# Altium PCB ShieldPCB.PcbDoc
Units mil, origin at the board's own origin, x right, y up, seen from the top; angles counter-clockwise.
Board outline 2100 x 2700 mil, 4 copper layers (Top Layer, 3V3 Plane, GND Plane, Bottom Layer), stack 62.156 mil thick; 35 components, 27 nets, 133 pads, 315 vias.
Unrouted connection lines stored in the file: 2.
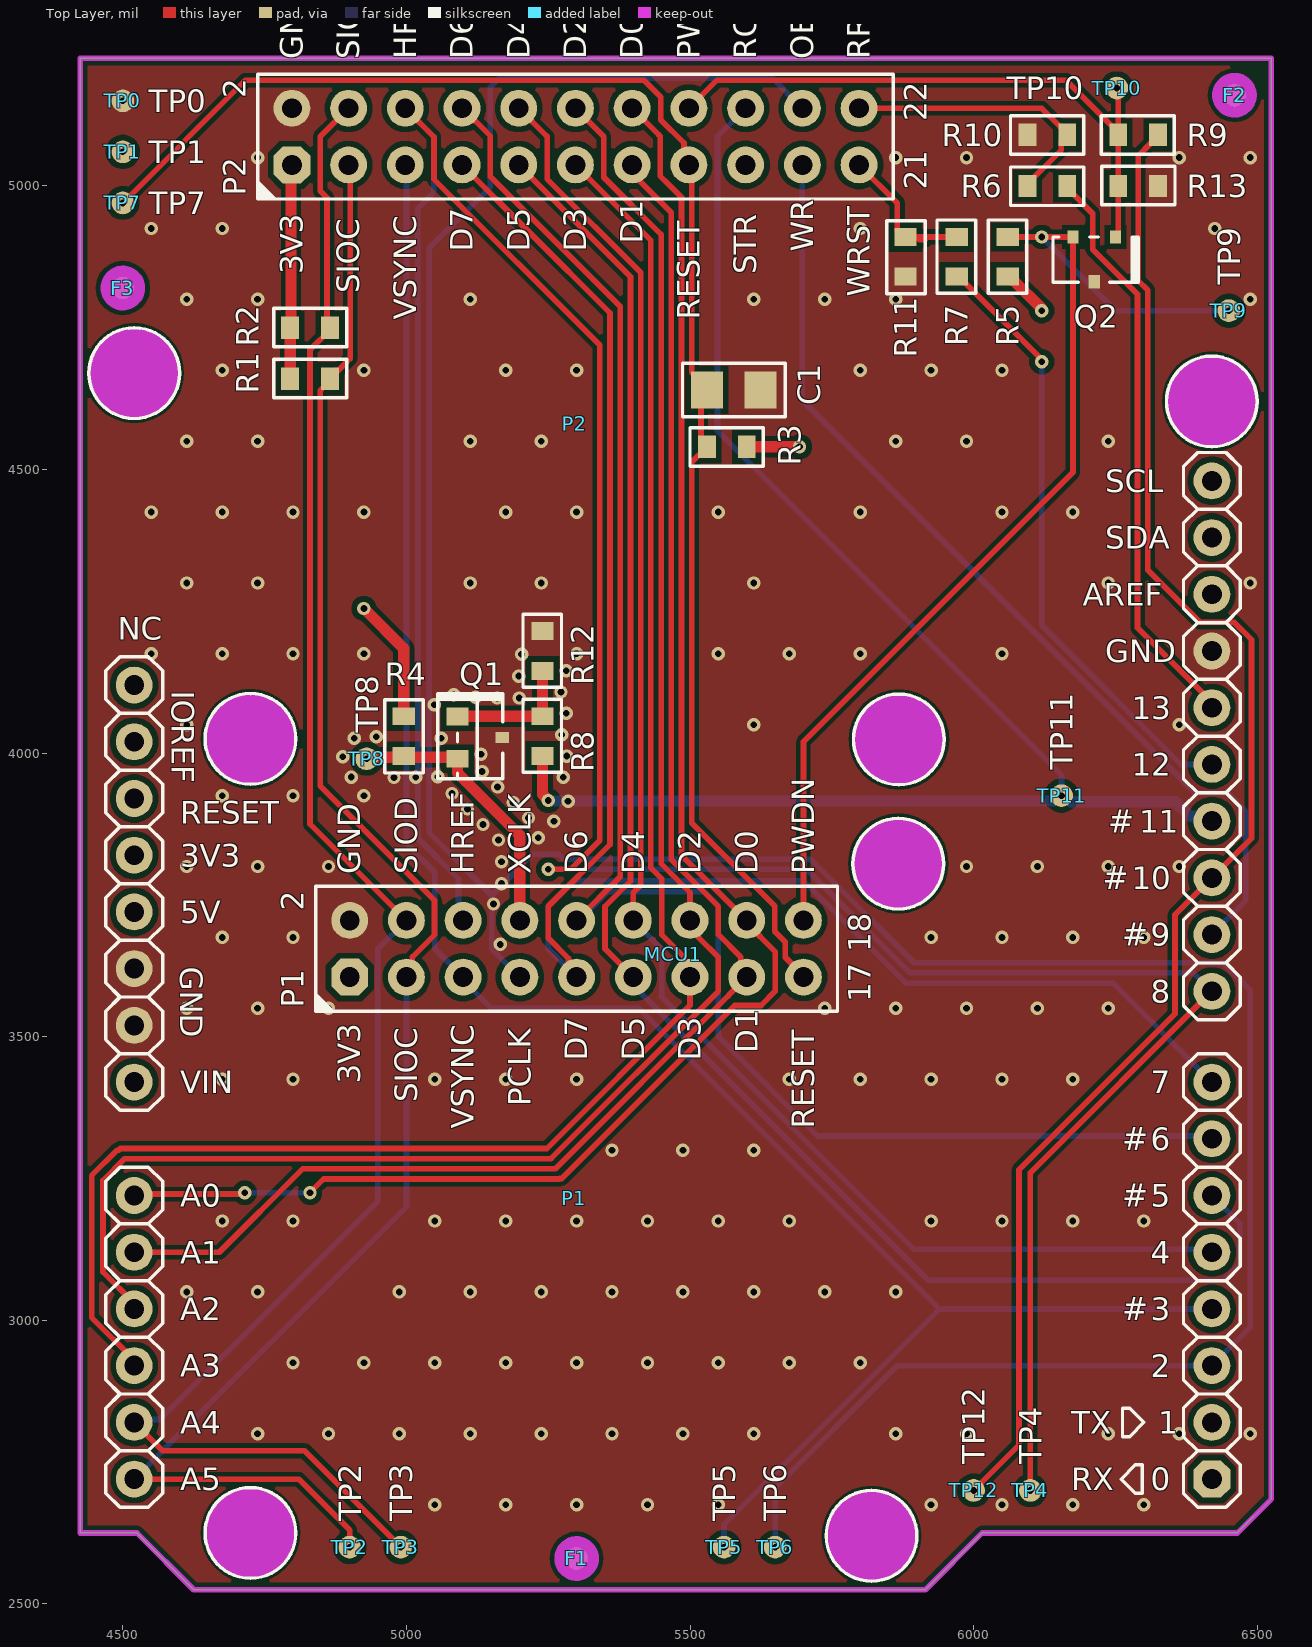
[diagram p0: Top Layer view]
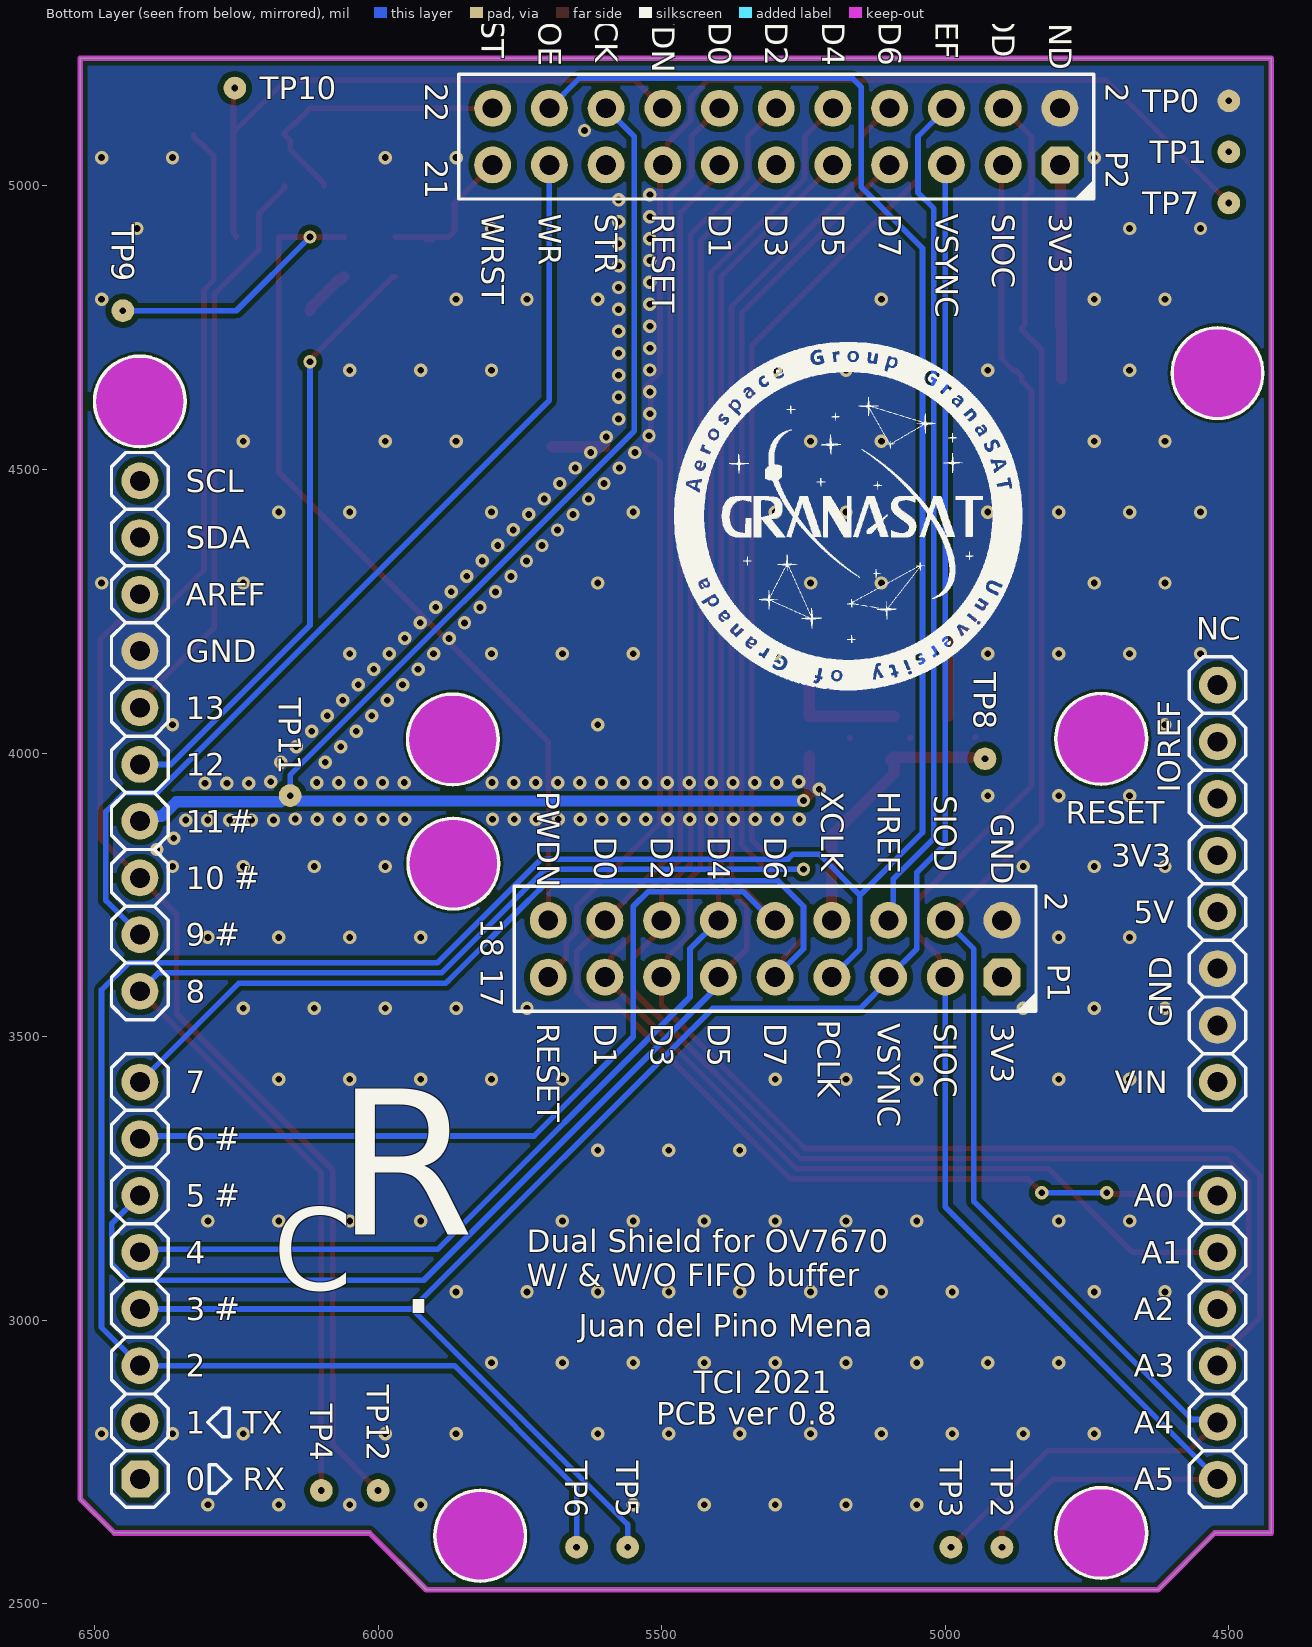
[diagram p1: Bottom Layer view, seen from below]
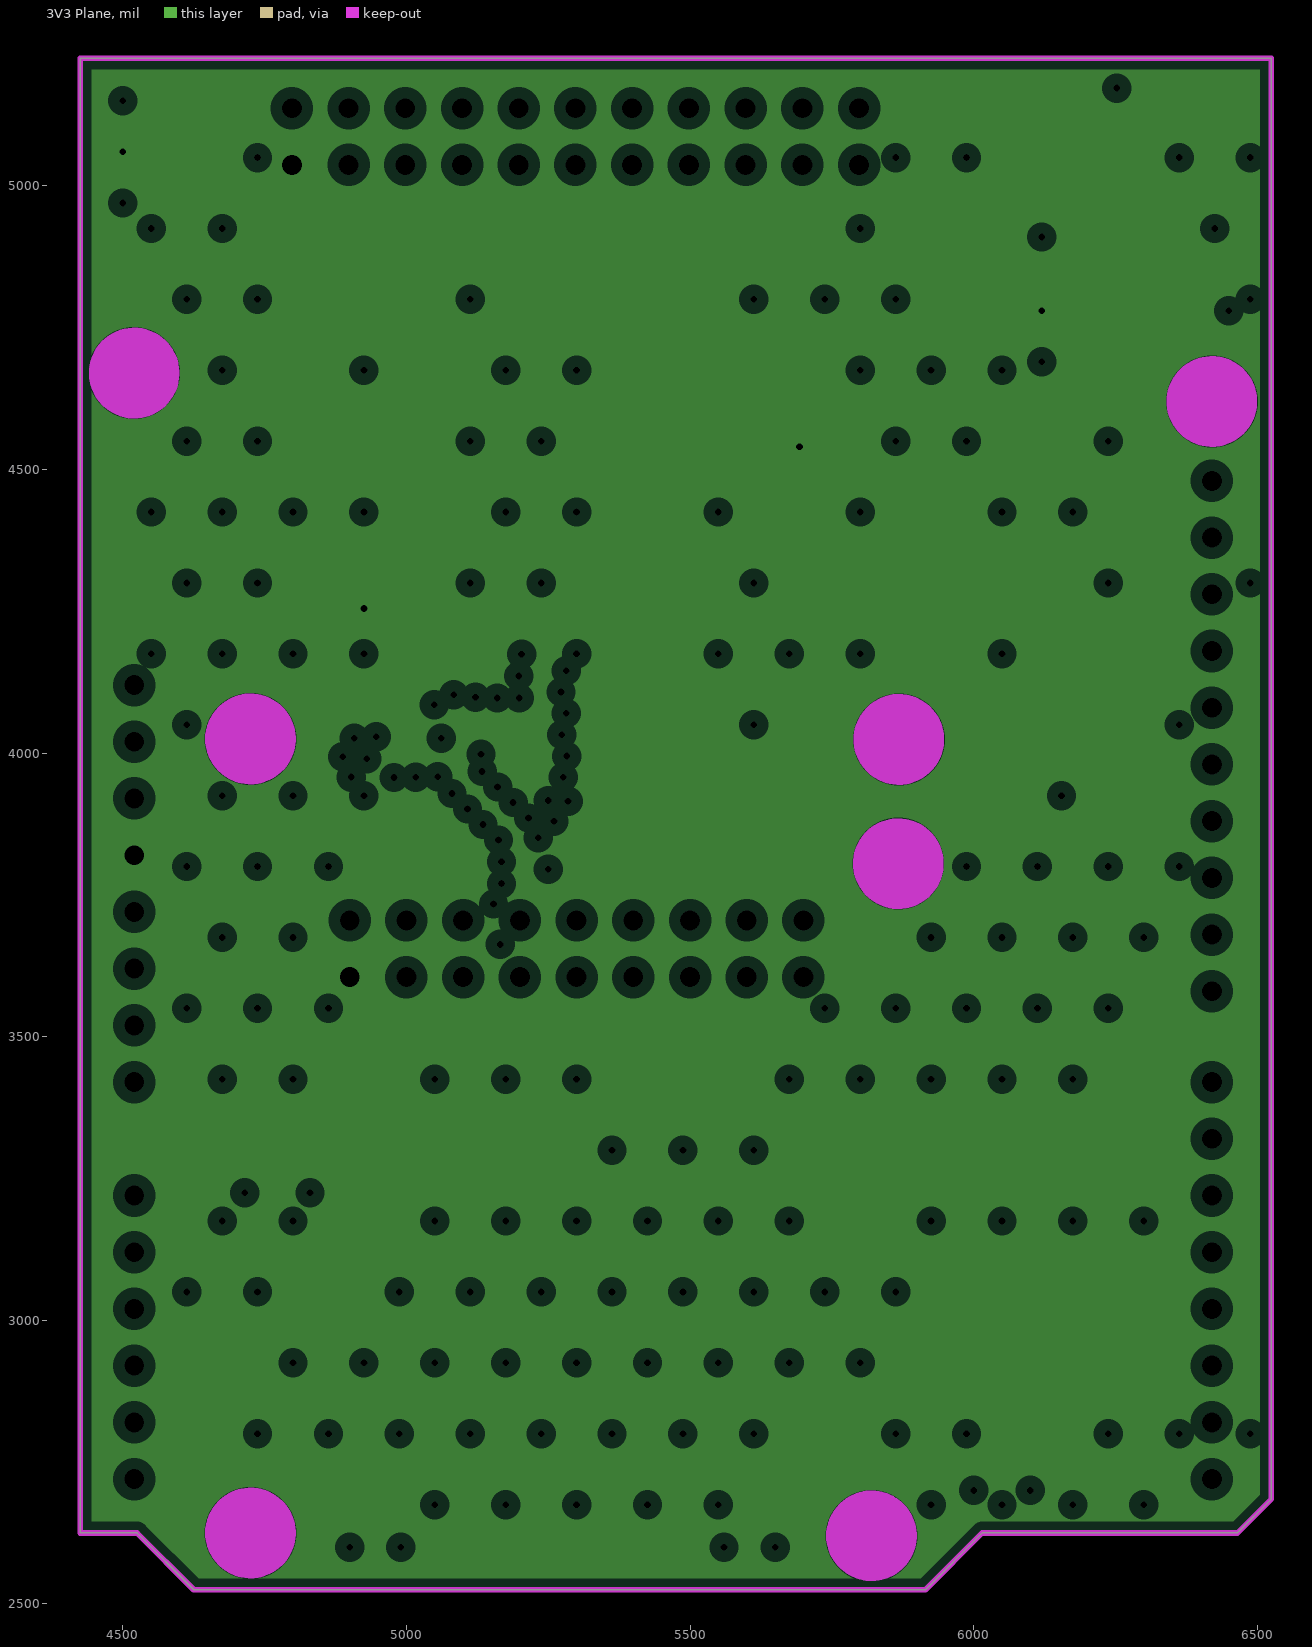
[diagram p2: 3V3 Plane, clearances drawn from the general rule]
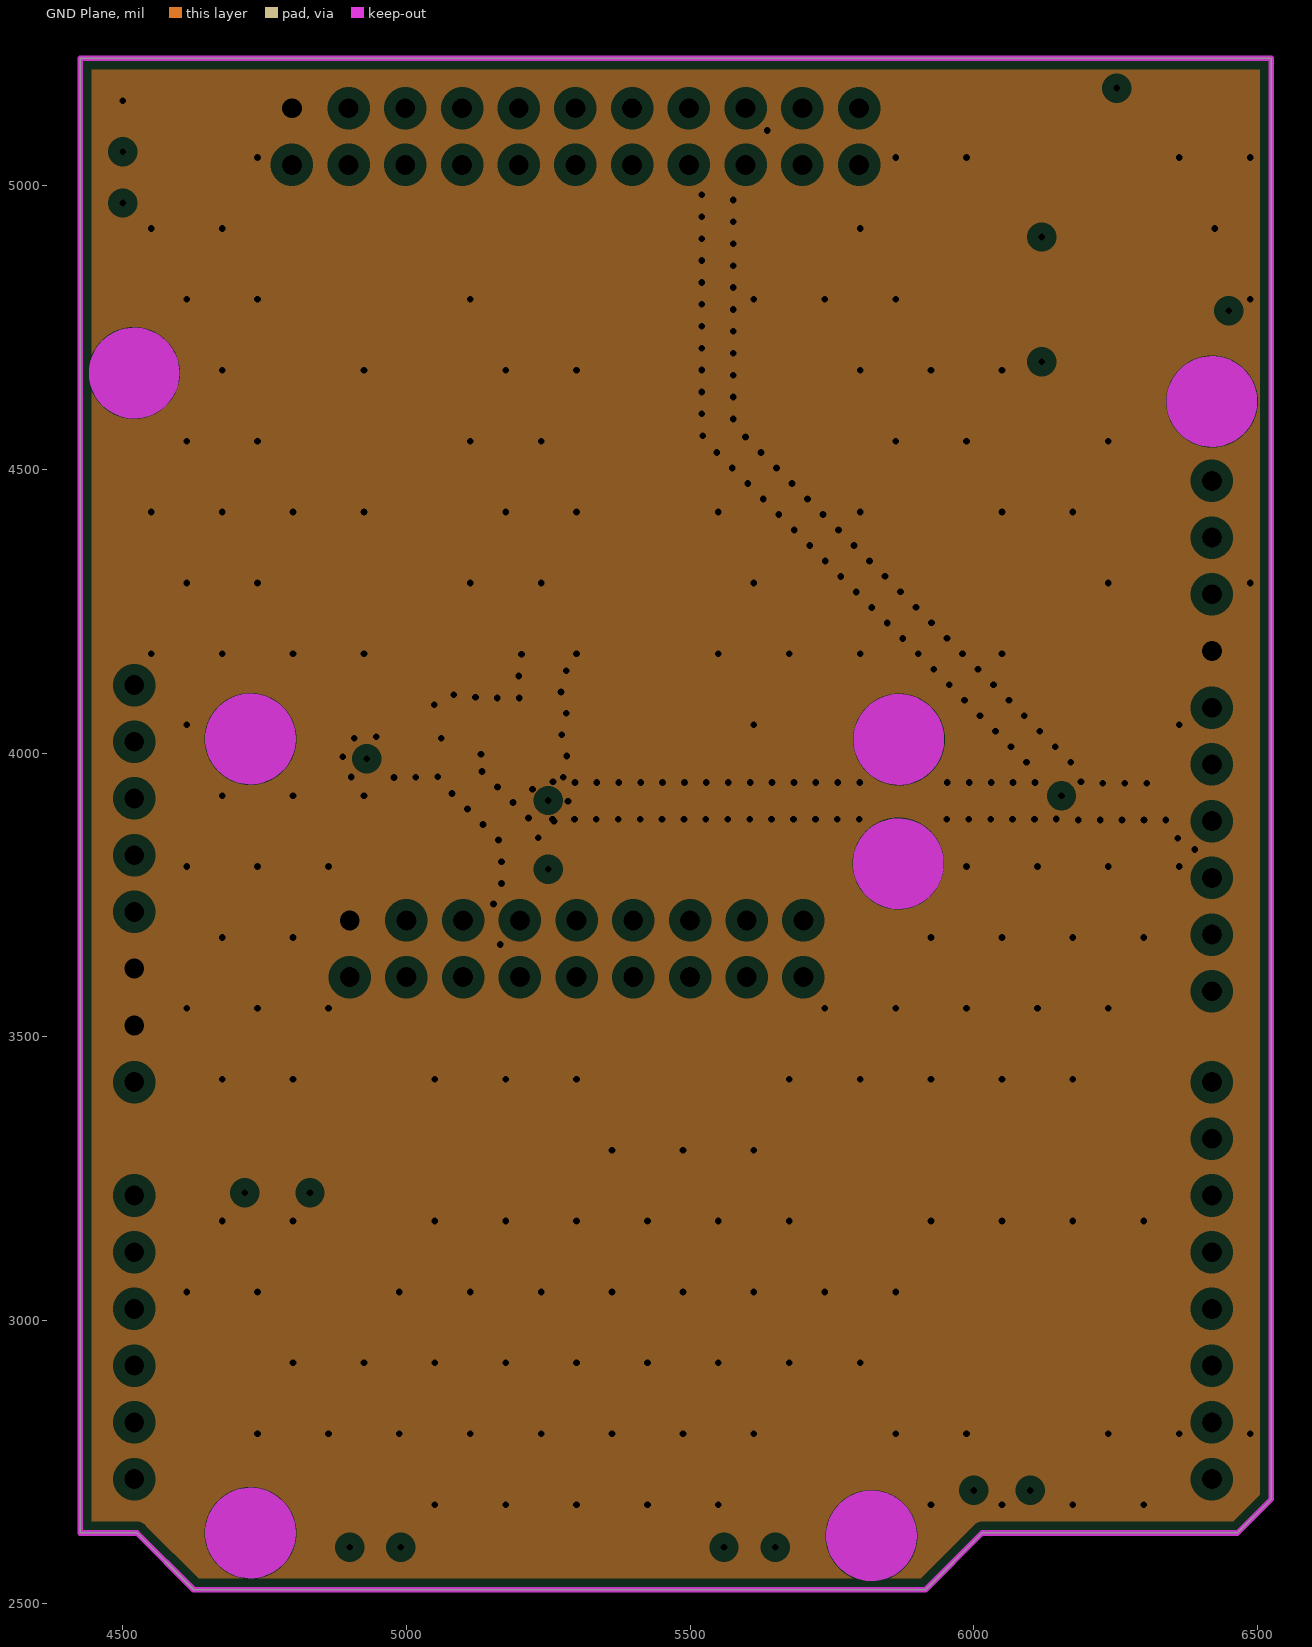
[diagram p3: GND Plane, clearances drawn from the general rule]

## Layer stack, top to bottom
Top Solder: solder mask 0.4, Solder Resist, Dk 3.5
Top Layer: signal copper 1.4
Dielectric 1: prepreg 2.8, PP-006, Dk 4.1
3V3 Plane: plane copper 1.378, net 3V3
Dielectric1: dielectric 51, FR-4, Dk 4.8
GND Plane: plane copper 1.378, net GND
Dielectric 2: prepreg 2.8, PP-006, Dk 4.1
Bottom Layer: signal copper 1.4
Bottom Solder: solder mask 0.4, Solder Resist, Dk 3.5

## Board outline
4425,2625 4525,2625 4625,2525 5915,2525 6015,2625 6465,2625 6525,2685 6525,5225 4425,5225

## Design rules (kind name [scope] priority, off if disabled: settings)
Clearance [All] p1: gap=10 ignorepadtopadclearanceinfootprint=FALSE except(0: Arc-Hole Track-Hole SMDPad-Hole THPad-Hole Via-Hole Fill-Hole Poly-Hole Region-Hole Text-Hole; 8: Arc-Arc Arc-Track Arc-SMDPad Arc-Fill Arc-Poly Arc-Region Arc-Text Track-Track Track-SMDPad Track-Fill Track-Poly Track-Region Track-Text; 12: Arc-THPad Track-THPad; 19: THPad-THPad)
FabricationTestPointUsage TestPointUsage [All] p1: valid=0 allowmultiple=FALSE
FabricationTestpoint Testpoint [All] p1: side=3 testpointundercomponent=TRUE minsize=40 maxsize=100 preferedsize=60 minholesize=0 maxholesize=40 preferedholesize=32 testpointgrid=1 allowsidetop=TRUE allowsidebottom=TRUE usegrid=TRUE gridtolerance=0.01
HoleSize [All] p1: absolutevalues=TRUE maxlimit=150 minlimit=1 maxpercent=80.000 minpercent=20.000
PlaneClearance [All] p1: clearance=20
PlaneConnect [All] p1: planeconnectstyle=Direct reliefexpansion=20 reliefentries=4 reliefconductorwidth=10 reliefairgap=10
PolygonConnect [All] p1: connectstyle=Direct reliefconductorwidth=10 reliefentries=4 polygonreliefangle="90 Angle" airgapwidth=10
RoomDefinition arduino_connections [InComponentClass('arduino_connections')] p1: confinementstyle=ConfineIn formatcopy=TRUE lockcomponents=FALSE outline 4225,5475 4225,2325 6575,2325 6575,5475
RoomDefinition OV7670_headers [InComponentClass('OV7670_headers')] p2: confinementstyle=ConfineIn formatcopy=TRUE lockcomponents=FALSE outline 4325,5565 4325,2425 6675,2425 6675,5565
RoutingVias [All] p1: holewidth=11.81 width=23.62 viastyle="Through Hole" minholewidth=11.81 minwidth=23.62 maxholewidth=11.81 maxwidth=23.62
SilkToSolderMaskClearance SilkscreenOverComponentPads [IsPad] p1: minsilkscreentomaskgap=10 clearancetoexposedcopper=TRUE
SolderMaskExpansion [All] p1: expansion=4 istentingtop=FALSE
Width [All] p1: maxlimit=20 minlimit=10 preferedwidth=10
24 further rules are at their usual default settings.

## Classes and differential pairs
net class D[0..7]: D0 D1 D2 D3 D4 D5 D6 D7
component class OV7670_headers: C1 P1 P2 Q1 Q2 R3 R4 R5 R6 R7 R8 R9 R10 R11 R12 R13 TP7 TP8 TP9 TP10 TP11 TP12
component class arduino_connections: F1 F2 F3 MCU1 R1 R2 TP0 TP1 TP2 TP3 TP4 TP5 TP6

## Components (designator, comment, footprint, x,y, rotation, side; value= is the part's Value field where it differs from the comment)
C1 "5% Ceramic" "0805 CAP" 5624.21,4640 r180 top value=100nF
F1 "Fiducial_1mm_2mm" FIDUCIAL_1MM_2MM 5300,2580 r0 top
F2 "Fiducial_1mm_2mm" FIDUCIAL_1MM_2MM 6460,5160 r0 top
F3 "Fiducial_1mm_2mm" FIDUCIAL_1MM_2MM 4500,4820 r0 top
MCU1 "Arduino UNO Rev 3" "ARDUINO UNO REV 3" 4520,2720 r270 top
P1 "Header 9X2 OV7670 W/O FIFO" "9X2 PIN HEADER" 4900,3605 r90 top
P2 "Header 11X2 OV7670 W/ FIFO" "11X2 PIN HEADER" 4798,5037 r90 top
Q1 "2N7002P SOT23 R0603" "2N7002P SOT23 WITH LARGE G,D PADS" 5090,4064.8 r0 top
Q2 "2N7002P, SOT23" "2N7002P SOT23" 6250,4910 r270 top
R1 "5% 0.25W" "0603 RES" 4830,4660 r180 top value=4.7K
R2 "5% 0.25W" "0603 RES" 4830,4750 r180 top value=4.7K
R3 "5% 0.25W" "0603 RES" 5565,4540 r0 top value=4.7K
R4 "5% 0.25W" "0603 RES" 4995,4030 r90 top value=150
R5 "5% 0.25W" "0603 RES" 6060,4875 r270 top value=4.7K
R6 "5% 0.25W" "0603 RES" 6130,5000 r0 top value=150
R7 "5% 0.25W" "0603 RES" 5970,4875 r270 top value=150
R8 "5% 0.25W" "0603 RES" 5240,4030 r270 top value=150
R9 "5% 0.25W" "0603 RES" 6290,5090 r0 top value=4.7K
R10 "5% 0.25W" "0603 RES" 6130,5090 r0 top value=220
R11 "5% 0.25W" "0603 RES" 5880,4875 r90 top value=220
R12 "5% 0.25W" "0603 RES" 5240,4180 r270 top value=150
R13 "5% 0.25W" "0603 RES" 6290,5000 r180 top value=4.7K
TP0 "Test Point Pad" "TEST POINT PAD" 4500,5150 r0 top
TP1 "Test Point Pad" "TEST POINT PAD" 4500,5060 r0 top
TP2 "Test Point Pad" "TEST POINT PAD" 4900,2600 r90 top
TP3 "Test Point Pad" "TEST POINT PAD" 4990,2600 r90 top
TP4 "Test Point Pad" "TEST POINT PAD" 6100,2700 r90 top
TP5 "Test Point Pad" "TEST POINT PAD" 5560,2600 r90 top
TP6 "Test Point Pad" "TEST POINT PAD" 5650,2600 r90 top
TP7 "Test Point Pad" "TEST POINT PAD" 4500,4970 r0 top
TP8 "Test Point Pad" "TEST POINT PAD" 4930,3990 r90 top
TP9 "Test Point Pad" "TEST POINT PAD" 6450,4780 r90 top
TP10 "Test Point Pad" "TEST POINT PAD" 6252.5,5172.5 r0 top
TP11 "Test Point Pad" "TEST POINT PAD" 6155,3925 r90 top
TP12 "Test Point Pad" "TEST POINT PAD" 6000,2700 r90 top

## Footprints (in the part's own frame and the unit in brackets; to place one, negate y for a bottom-side part, rotate by r counter-clockwise, add the part's x,y. Pads: shape width x height; smd on the part's side, far side on the other; paste and mask are expansions set on the pad)
"2N7002P SOT23" [mm] "NMOS 2N7002P in SOT23 package"
  rect 0.6x0.5 smd: 1(0,0) 2(0,-1.9) 3(2,-0.95)
  silkscreen extent 0,-2.79 2.03,1.02, body extent -0.26,-2.44 2.24,0.56, height 1.12
"2N7002P SOT23 WITH LARGE G,D PADS" [mm] "NMOS 2N7002P in SOT23 package"
  rect 1x0.8 smd: 1(0,0) 2(0,-1.9)
  rect 0.6x0.5 smd: 3(2,-0.95)
  silkscreen extent -0.89,-2.79 2.03,1.02, body extent -0.26,-2.44 2.24,0.56, height 1.12
"9X2 PIN HEADER" [mil] "9x2 pin header THT100mil x 100mil"
  oct 65x65 hole 35: 1(0,0)
  round 65 hole 35: 2(100,0) 3(0,-100) 4(100,-100) 5(0,-200) 6(100,-200) 7(0,-300) 8(100,-300) 9(0,-400) 10(100,-400) 11(0,-500) 12(100,-500) 13(0,-600) 14(100,-600) 15(0,-700) 16(100,-700) 17(0,-800) 18(100,-800)
  round 60 hole 122.05 unplated: MHNP?(-980,175) MHNP?(200.11,-967.19)
  round 80 hole 122.05: ""(-980,175) ""(200.11,-967.19)
  Keep-Out Layer circle w80: c200.11,-967.19 r40
  Keep-Out Layer circle w80: c-980,175 r40
  silkscreen extent -1060,-1047 280,255, body extent -1079,-1067 299,272, height 1298
"11X2 PIN HEADER" [mil] "11x2 pin header THT100mil x 100mil"
  oct 65x65 hole 35: 1(0,0)
  round 65 hole 35: 2(100,0) 3(0,-100) 4(100,-100) 5(0,-200) 6(100,-200) 7(0,-300) 8(100,-300) 9(0,-400) 10(100,-400) 11(0,-500) 12(100,-500) 13(0,-600) 14(100,-600) 15(0,-700) 16(100,-700) 17(0,-800) 18(100,-800) 19(0,-900) 20(100,-900) 21(0,-1000) 22(100,-1000)
  round 60 hole 122.05 unplated: MHNP?(-1012.89,-1070.19) MHNP?(-1012,73)
  round 80 hole 122.05 unplated: ""(-1012.89,-1070.19) ""(-1012,73)
  Keep-Out Layer circle w80: c-1012,73 r40
  Keep-Out Layer circle w80: c-1012.89,-1070.19 r40
  silkscreen extent -1093,-1150 160,153, body extent -1110,-1169 268,170, height 1534
"0603 RES" [mm]
  rect 0.8x1 smd: 1(-0.889,0) 2(0.889,0)
  silkscreen extent -1.65,-0.88 1.62,0.85, body extent -1.23,-0.4 1.23,0.4, height 0.8
"0805 CAP" [mm]
  rect 1.44x1.66 smd: 1(-0.007,0) 2(2.393,0)
  silkscreen extent -1.11,-1.2 3.49,1.2, body extent 0.05,-0.78 2.35,0.78, height 1
"ARDUINO UNO REV 3" [mil] "Arduino UNO Rev 3 pinout as pads V2"
  round 65 hole 35: 3V3(-1100,0) 5V(-1000,0) A0(-500,0) A1(-400,0) A2(-300,0) A3(-200,0) A4/SDA(-1660,1900) A4/SDA(-100,0) A5/SCL(-1760,1900) A5/SCL(0,0) AREF(-1560,1900) D1(-100,1900) D2(-200,1900) D3(-300,1900) D4(-400,1900) D5(-500,1900) D6(-600,1900) D7(-700,1900) D8(-860,1900) D9(-960,1900) D10(-1060,1900) D11(-1160,1900) D12(-1260,1900) D13(-1360,1900) GND(-1460,1900) GND(-900,0) GND(-800,0) IOREF(-1300,0) NC(-1400,0) RESET(-1200,0) VIN(-700,0)
  oct 65x65 hole 35: D0(0,1900)
  round 60 hole 122.05 unplated: MH1(-1950,0) MH2(-1900,1900) MH3(100,1300)
  Keep-Out Layer circle w80: c-1900,1900 r40
  Keep-Out Layer circle w80: c-1950,0 r40
  Keep-Out Layer circle w80: c100,1300 r40
  silkscreen extent -2030,-80 180,1980, body extent -2750,-100 200,2000, height 81
FIDUCIAL_1MM_2MM [mm]
  round 1 smd mask+0.5: 1(0,0)
  Top Layer keep-out circle w1: c0,0 r0.5
"TEST POINT PAD" [mil]
  round 40 hole 11.8: 1(0,0)

## Part data
C1: library part Cap100nF, "SMD Ceramic Capacitor 100nF 5% 0805", LatestRevisionDate=17-Jul-2002, LatestRevisionNote="Re-released for DXP Platform.", PackageDescription="Radial Cap, Thru-Hole; 2 Leads; 0.3 in Pin Spacing", PackageReference=RAD-0.3, Published=8-Jun-2000, Publisher="Altium Limited"
F1 F2 F3: "Fiducial 1mm pad, 2mm solder resist"
MCU1: "Arduino UNO Rev 3 pinout"
P1: "Header, 9-Pin, Dual row. Pinout of OV7670 module without FIFO buffer.", Publisher="Altium Limited"
P2: "Header, 11-Pin, Dual row. Pinout of OV7670 module with FIFO buffer.", LatestRevisionDate=17-Jul-2002, LatestRevisionNote="Re-released for DXP Platform.", Publisher="Altium Limited"
Q1: library part "2N7002P (0Ohm)", "N-Channel MOSFET 2N7002P SOT23 / version with footprint compatible with 0 Ohm 0603 resistor", ComponentLink1Description="Manufacturer Link", ComponentLink1URL=http://www.irf.com/, DatasheetVersion=PD-9.814, LatestRevisionDate=17-Jul-2002, LatestRevisionNote="Re-released for DXP Platform.", Note="Pin 2 is electrically connected to pin 4.", PackageDescription="TO, Thru-Hole, Vertical, Heatsink Mounted; 3 In-Line Leads; Pitch 2.54 mm", PackageReference=TO-220AB, PackageVersion=Feb-1997, Published=8-Jun-2000, Publisher="Altium Limited"
Q2: library part 2N7002P, "N-Channel MOSFET 2N7002P SOT23", ComponentLink1Description="Manufacturer Link", ComponentLink1URL=http://www.irf.com/, DatasheetVersion=PD-9.814, LatestRevisionDate=17-Jul-2002, LatestRevisionNote="Re-released for DXP Platform.", Note="Pin 2 is electrically connected to pin 4.", PackageDescription="TO, Thru-Hole, Vertical, Heatsink Mounted; 3 In-Line Leads; Pitch 2.54 mm", PackageReference=TO-220AB, PackageVersion=Feb-1997, Published=8-Jun-2000, Publisher="Altium Limited"
R1 R2 R3 R5 R9 R13: library part Res4K7, "SMD Resistor 4.7 KOhm 5% 0.1W 0603", LatestRevisionDate=29-May-2009, LatestRevisionNote="IPC-7351 Footprint Added.", PackageDescription="Chip Resistor", PackageReference=J1-0603, Published=8-Jun-2000, Publisher="Altium Limited"
R4 R6 R7 R8 R12: library part Res150R, "SMD Resistor 150 Ohm 5% 0.25W 0603", LatestRevisionDate=29-May-2009, LatestRevisionNote="IPC-7351 Footprint Added.", PackageDescription="Chip Resistor", PackageReference=J1-0603, Published=8-Jun-2000, Publisher="Altium Limited"
R10 R11: library part Res220R, "SMD Resistor 220 Ohm 5% 0.25W 0603", LatestRevisionDate=29-May-2009, LatestRevisionNote="IPC-7351 Footprint Added.", PackageDescription="Chip Resistor", PackageReference=J1-0603, Published=8-Jun-2000, Publisher="Altium Limited"
TP0 TP1 TP2 TP3 TP4 TP5 TP6 TP7 TP8 TP9 TP10 TP11 TP12: "Test point - PCB Pad type."

## Via types
v1: diameter 23.62, hole 11.81, Top Layer to Bottom Layer, 155 vias
v2: diameter 23.62, hole 11.81, GND Plane to Bottom Layer, 120 vias
v3: diameter 23.62, hole 11.81, Top Layer to GND Plane, 37 vias
v4: diameter 23.62, hole 11.81, Top Layer to 3V3 Plane, 3 vias

## Nets (pads, with @x,y where several pads share a name; then routed paths per layer and width w, separated by ;. In a path a pad name is that pad's centre, name@x,y a point inside that pad or via, vN(x,y) a via of type N, cw(c..) or ccw(c..) an arc to the next point about the centre after c; other vN are vias at no path point)
3V3: MCU1.3V3 P1.1 P2.1 R1.2 R2.2 R3.2 R4.2 R5.2 TP1.1 | length 777.4
  Top Layer w20: R1.2 R2.2 4796.5,4751.5 4796.5,5035.5 P2.1 ; v4(4925,4255) 4995,4185 R4.2 ; R3.2 v4(5693.04,4540) ; R5.2 6065.75,4834.25 6069.69,4834.25 6119.26,4784.68 6119.26,4780.74 v4(6119.95,4780.05)
D0: MCU1.A0 P1.16 P2.14 | length 2940.5
  Top Layer w10: MCU1.A0 4522.5,3222.5 4712.5,3222.5 v1(4715,3225) ; v1(4830,3225) 4854,3249 5269.91,3249 5270.91,3250 5273.75,3250 5395,3371.25 5508.75,3485 5578.75,3555 5625,3555 5650,3580 5650,3650 5600,3700 P1.16 5485,3820 5485,4980 5463.36,5001.64 cw(c5498,5037) 5462.72,5002.27 ccw(c5455.53,4995.33) 5462.6,5002.4 5447.31,5017.69 5447.31,5032.68 ccw(c5398,5037) 5447.31,5041.32 5447.31,5087.69 5444.38,5090.62 P2.14
  Bottom Layer w10: v1(4715,3225) v1(4830,3225)
D1: MCU1.A1 P1.15 P2.13 | length 2796.8
  Top Layer w10: MCU1.A1 4670,3120 4817,3267 5262.46,3267 5568,3572.54 5568,3573 P1.15 5589.48,3615.52 5589.48,3640.52 5550,3680 5550,3729.54 5467,3812.54 5467,4953.12 5398,5022.12 P2.13
D2: MCU1.A2 P1.14 P2.12 | length 3133.9
  Top Layer w10: MCU1.A2 4520,3030 4465,3085 4465,3246.72 4503.28,3285 5255,3285 5550,3580 5550,3640 5516.09,3673.91 5516.09,3674.03 5500,3690.12 5500,3754.09 5449,3805.09 5449,4914.28 5348,5015.28 5348,5087 P2.12
D3: MCU1.A3 P1.13 P2.11 | length 3110.7
  Top Layer w10: MCU1.A3 4520,2930 4445,3005 4445,3255 4490,3300 4492.83,3300 4495.83,3303 5247.54,3303 5500,3555.46 P1.13 5489.48,3615.52 5489.48,3640.52 5450,3680 5450,3778.63 5431,3797.63 5431,4904 P2.11
D4: MCU1.D4 P1.12 P2.10 | length 2838.9
  Top Layer w10: P2.10 5248,5087 5248,5012.46 5413,4847.46 5413,3767.09 5400,3754.09 P1.12
  Bottom Layer w10: P1.12 5450,3655 5450,3570.86 5449.57,3570.43 5895,3125 6415,3125 MCU1.D4
D5: MCU1.D5 P1.11 P2.9 | length 3005.7
  Top Layer w10: P2.9 5392.07,4842.93 5395,4840 5395,3774.54 5350,3729.54 5350,3655 P1.11
  Bottom Layer w10: P1.11 5400,3590.12 5416.09,3574.03 5416.09,3573.91 5919.5,3070.5 6440.5,3070.5 6469.5,3099.5 6469.5,3170.5 MCU1.D5
D6: MCU1.D6 P1.10 P2.8 | length 3036.2
  Top Layer w10: P2.8 5099,5137 5148,5088 5148,5016.29 5177.29,4987 5377,4787.29 5377,3782 P1.10
  Bottom Layer w10: P1.10 5305,3705 5355.61,3755.61 5524.39,3755.61 5550,3730 5550,3500 5725,3325 6415,3325 MCU1.D6
D7: MCU1.D7 P1.9 P2.7 | length 3087.4
  Top Layer w10: P2.7 5215.78,4919.22 5359,4776 5359,3839 5250,3730 5250,3673.74 5285.78,3637.96 5285.78,3634.1 5300,3619.88 P1.9
  Bottom Layer w10: P1.9 5250,3655 5250,3730 5295,3775 5700,3775 5734.65,3740.35 cw(c5700,3705) 5735.35,3739.65 5876.75,3598.25 5880.5,3594.5 6245.5,3594.5 MCU1.D7
GND: C1.1 MCU1.GND P1.2 P2.2 Q1.3 Q2.3 R10.1 R11.1 R12.1 R13.1 TP0.1 | length 5.9
  Top Layer w10: v3(4946.71,4028.76) v3@4948.06,4027.41 ; v3@5060.11,4027.41 v3(5061.46,4026.06) ; v3@5061.46,4026.26 v3(5061.46,4026.06) ; v3@5062.13,4026.73 v3(5061.46,4026.06) ; Q1.3@5168.07,4026.73 Q1.3
  other v1: 5050,2675 5175,2675 5300,2675 5425,2675 5550,2675 5925,2675 6050,2675 6175,2675 6300,2675 4737.5,2800 4862.5,2800 4987.5,2800 5112.5,2800 5237.5,2800 5362.5,2800 5487.5,2800 5612.5,2800 5862.5,2800 5987.5,2800 6237.5,2800 6362.5,2800 6487.5,2800 4800,2925 4925,2925 5050,2925 5175,2925 5300,2925 5425,2925 5550,2925 5675,2925 5800,2925 4612.5,3050 4737.5,3050 4987.5,3050 5112.5,3050 5237.5,3050 5362.5,3050 5487.5,3050 5612.5,3050 5737.5,3050 5862.5,3050 4675,3175 4800,3175 5050,3175 5175,3175 5300,3175 5425,3175 5550,3175 5675,3175 5925,3175 6050,3175 6175,3175 6300,3175 5362.5,3300 5487.5,3300 5612.5,3300 4675,3425 4800,3425 5050,3425 5175,3425 5300,3425 5675,3425 5800,3425 5925,3425 6050,3425 6175,3425 4612.5,3550 4737.5,3550 4862.5,3550 5737.5,3550 5862.5,3550 5987.5,3550 6112.5,3550 6237.5,3550 4675,3675 4800,3675 5925,3675 6050,3675 6175,3675 6300,3675 4612.5,3800 4737.5,3800 4862.5,3800 5987.5,3800 6112.5,3800 6237.5,3800 6362.5,3800 4675,3925 4800,3925 4925,3925 4612.5,4050 5612.5,4050 6362.5,4050 4550,4175 4675,4175 4800,4175 4925,4175 5300,4175 5550,4175 5675,4175 5800,4175 6050,4175 4612.5,4300 4737.5,4300 5112.5,4300 5237.5,4300 5612.5,4300 6237.5,4300 6487.5,4300 4550,4425 4675,4425 4800,4425 4925,4425 5175,4425 5300,4425 5550,4425 5800,4425 6050,4425 6175,4425 4612.5,4550 4737.5,4550 5112.5,4550 5237.5,4550 5862.5,4550 5987.5,4550 6237.5,4550 4675,4675 4925,4675 5175,4675 5300,4675 5800,4675 5925,4675 6050,4675 4612.5,4800 4737.5,4800 5112.5,4800 5612.5,4800 5737.5,4800 5862.5,4800 6487.5,4800 4550,4925 4675,4925 5800,4925 6425,4925 4737.5,5050 5862.5,5050 5987.5,5050 6362.5,5050 6487.5,5050
  other v2: 6390,3830 6360,3850 6184.48,3881.94 6223.1,3881.94 6261.72,3881.94 6300.34,3881.94 6338.96,3881.94 5257.59,3883.16 5296.22,3883.19 5334.84,3883.19 5373.46,3883.19 5412.08,3883.19 5450.7,3883.19 5489.33,3883.19 5527.95,3883.19 5566.57,3883.19 5605.19,3883.19 5643.81,3883.19 5682.44,3883.19 5721.06,3883.19 5759.68,3883.19 5798.3,3883.19 5952.79,3883.19 5991.41,3883.19 6030.03,3883.19 6068.66,3883.19 6107.28,3883.19 6145.9,3883.75 5222.2,3936.05 6227.88,3946.81 6266.5,3946.81 6305.12,3946.81 5297.04,3948.06 5335.66,3948.06 5374.28,3948.06 5412.9,3948.06 5451.52,3948.06 5490.15,3948.06 5528.77,3948.06 5567.39,3948.06 5606.01,3948.06 5644.63,3948.06 5683.26,3948.06 5721.88,3948.06 5760.5,3948.06 5799.12,3948.06 5953.61,3948.06 5992.23,3948.06 6030.85,3948.06 6069.48,3948.06 6108.1,3948.06 5258.44,3949.41 6189.36,3949.61 6093.34,3983.75 6171.46,3983.83 6066.03,4011.06 6144.15,4011.14 6038.72,4038.37 6116.84,4038.45 6011.41,4065.68 6089.53,4065.76 5984.1,4092.99 6062.22,4093.07 5956.79,4120.3 6034.91,4120.38 5929.48,4147.61 6007.6,4147.69 5902.17,4174.92 5980.29,4175 5874.86,4202.23 5952.98,4202.31 5847.55,4229.54 5925.67,4229.62 5820.24,4256.85 5898.36,4256.93 5792.93,4284.16 5871.05,4284.24 5765.62,4311.47 5843.74,4311.55 5738.31,4338.78 5816.43,4338.86 5711,4366.09 5789.12,4366.17 5683.69,4393.4 5761.81,4393.48 5656.38,4420.71 5734.5,4420.79 5629.07,4448.02 5707.19,4448.1 5601.76,4475.32 5679.88,4475.41 5574.45,4502.63 5652.57,4502.72 5547.14,4529.94 5625.26,4530.03 5597.95,4557.34 5522.34,4559.55 5575.99,4589.11 5520.69,4598.14 5575.99,4627.74 5520.69,4636.76 5575.99,4666.36 5520.69,4675.38 5575.99,4704.98 5520.69,4714.01 5575.99,4743.6 5520.69,4752.63 5575.99,4782.22 5520.69,4791.25 5575.99,4820.85 5520.69,4829.87 5575.99,4859.47 5520.69,4868.49 5575.99,4898.09 5520.69,4907.12 5575.99,4936.71 5520.69,4945.74 5575.99,4975.33 5520.69,4984.36 5636.13,5097.79
  other v3: 5165.25,3662.67 5153.51,3734 5167.57,3769.97 5167.57,3808.6 5162.28,3846.85 5232.43,3850.96 5134.97,3874.16 5260,3880 5215.3,3885.57 5107.66,3901.47 5187.99,3912.88 5285,3915 5080.35,3928.78 5160.68,3940.19 4977.98,3957.01 5016.6,3957.39 5276.73,3957.46 4902.59,3957.73 5055.21,3958.11 5133.37,3967.5 4887.8,3993.4 5282.59,3994.77 5131.5,3998 4908.17,4026.21 5273.92,4032.53 5281.92,4070.32 5048.99,4085.16 5160.36,4097.24 5198.98,4097.24 5121.76,4098.71 5083.36,4102.79 5272.43,4107.76 5198.08,4135.85 5281.92,4145.19 5203.04,4174.15
HREF: MCU1.D8 P1.6 P2.6 TP4.1 | length 5314
  Top Layer w10: P2.6 5048.5,5086.5 5048.5,5011.5 5341,4719 5341,3846.46 5289.54,3795 v1(5250,3795) ; TP4.1 6100,3260 MCU1.D8
  Bottom Layer w10: P2.6 5048,5087 5048,4988 5020,4960 5020,3850 5091.73,3778.27 5091.73,3713.27 P1.6 ; v1(5250,3795) 5705,3795 5707,3793 5707.46,3793 5747.31,3753.14 cw(c5700,3705) 5748.14,3752.31 5887.96,3612.5 6387.5,3612.5 MCU1.D8
NetQ1_1: Q1.1 R8.1 R12.2 | length 230.1
  Top Layer w10: R8.1@5239.8,4064.8 R8.1
  Top Layer w20: Q1.1 R8.1@5239.8,4064.8 ; R8.1 R12.2
PCLK_OE: MCU1.D2 P1.7 P2.20 TP6.1 | length 5379
  Bottom Layer w10: P1.7 5150.5,3654.5 5150.5,3749.5 ; TP6.1 5650,2704.54 5865.46,2920 MCU1.D2 6487.5,2987.5 6487.5,3582.5 6439.5,3630.5 5895.41,3630.5 5760.93,3764.99 ccw(c5700,3705) 5759.98,3765.94 5714.97,3810.94 5714.46,3811 5712.46,3813 5277,3813 5268.19,3821.81 5222.81,3821.81 5150.5,3749.5 ; P2.20 5645,5190 5163.86,5190 5148,5174.14 5148,4998 5040,4890 5040,3860 5150.5,3749.5
PWDN_0: P1.18 Q2.2 R5.1 TP9.1 | length 1900.9
  Top Layer w10: P1.18 5700,4020 6175.2,4495.2 Q2.2 R5.1
  Bottom Layer w10: v1(6120,4910) 6250,4780 TP9.1
PWDN_1: P2.16 Q2.1 R9.1 R13.2 TP10.1 | length 1081.5
  Top Layer w10: P2.16 5547.5,5186.5 6162.44,5186.5 R9.1@6255,5093.94 ; Q2.1 6250,4911.97 6255,4916.97 R13.2 R9.1 R9.1@6255,5093.94 ; TP10.1 6255,5170 R9.1@6255,5093.94
PWDN_CTRL: MCU1.D10 R9.2 TP12.1 | length 2726.6
  Top Layer w10: TP12.1 6080,2780 6080,3265.46 6355,3540.46 6355,3715 MCU1.D10 6490,3850 6490,4200 6459.5,4230.5 6399.5,4230.5 6307,4323 6307,4816.5 6290,4833.5 6290,5053.06 6312.25,5075.31 6314.25,5075.31 6325,5086.06 R9.2
R\E\S\E\T\: C1.2 P1.17 P2.15 R3.1 TP7.1 | length 2740.9
  Top Layer w10: TP7.1 4716.5,5186.5 5418.5,5186.5 5448.5,5156.5 5448.5,5116.5 5489.41,5075.59 5489.41,5047.39 P2.15@5500,5036.8 ; P2.15 5503,5032 5503,4671.33 5530,4644.33 C1.2 5519.25,4629.25 5519.25,4550.75 R3.1 5530,4536.06 5519.25,4525.31 5515.31,4525.31 5503,4513 5503,3877 5649.5,3730.5 5649.5,3685.5 5668,3667 5668,3640.18 5700,3608.18 P1.17
RRST_3V3: P2.22 R6.1 R10.2 | length 507.8
  Top Layer w10: P2.22 6119.98,5137 6152.3,5104.69 6154.25,5104.69 6165,5093.94 R10.2 6154.71,5079.71 6154.71,5063.65 6095,5003.94 R6.1
RRST_5V: MCU1.D13 R6.2 | length 1025.6
  Top Layer w10: R6.2 6165,4996.06 6210,4951.06 6210,4888.05 6289,4809.05 6289,4221 6420,4090 MCU1.D13
SCL: MCU1.A5/SCL P1.3 P2.3 R1.1 TP2.1 | length 3092.6
  Top Layer w10: MCU1.A5/SCL@4520,2720 4810,2720 4900,2630 TP2.1 ; P2.3 4900.75,5034.25 4900.75,4695.75 4879.69,4674.69 4875.75,4674.69 4865,4663.94 4865,4656.06 4854.25,4645.31 4853.86,4645.31 4848,4639.46 4848,3942 5049.5,3740.5 5049.5,3679.5 5010.52,3640.52 5010.52,3615.52 P1.3
  Bottom Layer w10: MCU1.A5/SCL@4520,2720 5000,3200 P1.3
SDA: MCU1.A4/SDA P1.4 P2.4 R2.1 TP3.1 | length 3209.1
  Top Layer w10: MCU1.A4/SDA@4520,2820 4570,2770 4820,2770 TP3.1 ; R2.1@4865,4746.06 4830,4711.06 4830,3875 P1.4 ; R2.1 4860,4755 4860,4979.06 4848,4991.06 4848,5087 P2.4
  Bottom Layer w10: MCU1.A4/SDA@4520,2820 4525,2825 4565,2825 4949.5,3209.5 4949.5,3654.5 P1.4
VSYNC: MCU1.D3 P1.5 P2.5 TP5.1 | length 3616.9
  Bottom Layer w10: P2.5 5000,5035 5000,3840 5050,3790 5050,3655 P1.5 5100,3600 5150,3550 5410,3550 5940,3020 ; TP5.1 5560,2640 5940,3020 ; MCU1.D3 5940,3020
WE: MCU1.D9 P2.19 | length 1739.3
  Bottom Layer w10: P2.19 5698,4622 6390,3930 6447.16,3930 6480,3897.16 6480,3740 MCU1.D9
WRST_3V3: P2.21 R7.1 R11.2 | length 270
  Top Layer w10: P2.21 5865.31,4969.69 5865.31,4920.75 5876.06,4910 5900,4910 ; 5914.69,4905 5905,4905 5900,4910 ; R7.1 5914.69,4910 5905,4910 5900,4910
WRST_5V: MCU1.D12 R7.2 | length 1080.7
  Top Layer w10: R7.2 5973.94,4840 6117.39,4696.54 6117.39,4692.61 v1(6120,4690)
  Bottom Layer w10: v1(6120,4690) 6120,4225.46 6365.46,3980 MCU1.D12
XCLK_3V3: P1.8 Q1.2 R4.1 TP8.1 | length 506.1
  Top Layer w20: TP8.1 4932.5,3992.5 4992.5,3992.5 R4.1 4997.5,3992.5 5091.44,3992.5 Q1.2@5093.94,3990 ; Q1.2@5096.43,3987.51 Q1.2@5093.94,3990 ; P1.8 5200,3855 5090,3965 Q1.2 Q1.2@5093.94,3990
XCLK_5V_RCK: MCU1.D11 P2.18 R8.2 TP11.1 | length 2759.5
  Top Layer w20: R8.2 5240,3927.35 5250,3917.35 v1(5250,3916.37)
  Bottom Layer w10: P2.18 5548.34,5087.34 5548.34,4567.85 6155,3961.19 TP11.1 ; MCU1.D11@6414.54,3880 MCU1.D11
  Bottom Layer w20: v1(5250,3916.37) 5250.98,3916.37 5251.73,3915.62 6140.21,3915.62 6149.59,3925 TP11.1 6160.41,3925 6171.04,3914.38 6355.62,3914.38 6381.39,3888.61 6405.93,3888.61 MCU1.D11@6414.54,3880
pads on no net: F1.1 F2.1 F3.1 MCU1.5V MCU1.AREF MCU1.D0 MCU1.D1 MCU1.IOREF MCU1.MH1 MCU1.MH2 MCU1.MH3 MCU1.NC MCU1.RESET MCU1.VIN P1. P1.MHNP? P2. P2.17 P2.MHNP?

## Polygon pours and split planes (outlines as drawn)
GND on Bottom Layer "GND_L04_P000" (solid, pour order 0): 6525,5225 6525,2685 6465,2625 6015,2625 5915,2525 4625,2525 4525,2625 4425,2625 4425,5225
GND on Top Layer "GND_L01_P002" (solid, pour order 2): 6525,5225 6525,2685 6465,2625 6015,2625 5915,2525 4625,2525 4525,2625 4425,2625 4425,5225
GND on GND Plane (split plane): 6504.9,2693.32 6456.68,2645.1 6015,2645.1 6011.08,2644.71 6007.31,2643.57 6003.83,2641.71 6000.79,2639.21 5906.68,2545.1 4633.32,2545.1 4539.21,2639.21 4536.17,2641.71 4532.69,2643.57 4528.92,2644.71 4525,2645.1 4445.1,2645.1 4445.1,5204.9 6504.9,5204.9
3V3 on 3V3 Plane (split plane): 6504.9,2693.32 6456.68,2645.1 6015,2645.1 6011.08,2644.71 6007.31,2643.57 6003.83,2641.71 6000.79,2639.21 5906.68,2545.1 4633.32,2545.1 4539.21,2639.21 4536.17,2641.71 4532.69,2643.57 4528.92,2644.71 4525,2645.1 4445.1,2645.1 4445.1,5204.9 6504.9,5204.9

## Keep-outs
Keep-Out Layer:
  the board outline again, w10

## Silkscreen, mask and mechanical layers (free items; w line width, h text height)
Bottom Overlay:
  drawing of 42 lines, arcs and shapes, not listed
  text "Dual Shield for OV7670  / W/ & W/O FIFO buffer" at 5737.5,3060 h40
  text "R" at 6075,3055.39 h500
  text "C" at 6185,3005 h250
  text "Juan del Pino Mena" at 5646.55,2971 h40
  text "." at 5960,2965 h250
  text "TCI 2021" at 5443.29,2871 h40
  text "PCB ver 0.8" at 5509.93,2816 h40
Mechanical 15:
  lines w0: 5623.03,2619.49 5623.54,2620
Mechanical 16:
  drawing of 8381 lines, arcs and shapes, not listed
  text "1" at 1427,7465 h70
  text "2" at 4287,7465 h70
  text "3" at 7167,7465 h70
  text "4" at 10037,7465 h70
  text "A" at 75,6559 h70
  text "A" at 11375,6559 h70
  text "B" at 75,4667 h70
  text "B" at 11375,4667 h70
  text "C" at 75,2757 h70
  text "C" at 11375,2757 h70
  text "Units in mm" at 6806,2006 h40
  text "Designer's signature:" at 5490,1060 h40
  text "Dpto. Electronica y Tecnologia" at 9110,1010 h50
  text "Sheet title: Shield PCB for Arduino UNO" at 6620,980 h60
  text "de Computadores" at 9110,910 h50
  text "D" at 75,867 h70
  text "D" at 11375,867 h70
  text "University of Granada" at 9110,820 h50
  text "Project title: Dual OV7670 Shield" at 6620,730 h60
  text "C/ Fuente Nueva, s/n, 18001" at 9110,730 h50
  text "Granada, Granada, Spain" at 9110,630 h50
  text "Supervisor's signature:" at 5500,570 h40
  text "Sr. Andres Roldan Aranda" at 9110,530 h50
  text "Designer: Juan Del Pino Mena" at 6620,500 h60
  text "Date: 2022.01.17" at 9090,340 h40
  text "Revision: 0.8" at 9730,340 h40
  text "Supervisor: Andres Roldan Aranda" at 6620,270 h60
  text "Sheet 1 of 1" at 9090,240 h40
  text "1" at 1427,65 h70
  text "2" at 4287,65 h70
  text "3" at 7167,65 h70
  text "4" at 10037,65 h70
title 3 for all:
  text "All layers" at 5041.81,6466.68 h100
  text "top + top silk + bottom + bottom silk + multi-layer + keep-out" at 4320.38,6286.67 h40
  text "Using default trace width of 10 mil, with an  / approx resistance of 1.7 mOhm/mm. (1 oz/ft^2) / (Calculated using Saturn PCB toolkit) / For power traces and XCLK, a low-resistance / path is preffered to minimize power losses / and maintain good signal integrity. These / traces are 20 mil in width, with a resistance / of 0.7 mOhm/mm." at 3400,500 h40
title 2 for bottom:
  text "Bottom layer" at 4950.18,6466.68 h100
  text "bottom + bottom silk + multi-layer + keep-out" at 4646.94,6286.67 h40
title 1 for top:
  text "Top layer" at 5083.47,6466.68 h100
  text "top + top silk + multi-layer + keep-out" at 4760.24,6286.67 h40

## Dimensions
4425,2525 to 4525,2525 on Mechanical 16
6015,2525 to 6525,2525 on Mechanical 16
6525,2525 to 6525,2625 on Mechanical 16
6525,2525 to 6525,5225 on Mechanical 16
4425,2525 to 6525,2525 on Mechanical 16

## Text inside footprints (layer, text, board x,y; h text height)
MCU1: Top Overlay "#" at 6262.34,3660.01 h40; Top Overlay "0" at 6312.34,2700.01 h40; Top Overlay "1" at 6325.67,2800.01 h40; Top Overlay "2" at 6312.32,2899.99 h40; Top Overlay "3" at 6312.34,3000.01 h40; Top Overlay "4" at 6312.34,3100.01 h40; Top Overlay "5" at 6312.34,3200.01 h40; Top Overlay "6" at 6312.34,3300.01 h40; Top Overlay "7" at 6312.34,3400.01 h40; Top Overlay "8" at 6312.34,3560.01 h40; Top Overlay "9" at 6312.34,3660.01 h40; Top Overlay "10" at 6279.02,3760.01 h40; Top Overlay "11" at 6292.35,3860.01 h40; Top Overlay "12" at 6279.02,3960.01 h40; Top Overlay "13" at 6279.02,4060.01 h40; Top Overlay "#" at 6262.34,3300.01 h40; Top Overlay "#" at 6262.32,2999.99 h40; Top Overlay "#" at 6262.34,3200.01 h40; Top Overlay "#" at 6227.34,3760.01 h40; Top Overlay "#" at 6237.34,3860.01 h40; Top Overlay "GND" at 4601,3623.32 h40 r270; Top Overlay "VIN" at 4600.99,3400 h40; Top Overlay "A5" at 4601,2700.01 h40; Top Overlay "A4" at 4600.99,2800 h40; Top Overlay "A3" at 4600.99,2900 h40; Top Overlay "A2" at 4600.99,3000 h40; Top Overlay "A1" at 4600.99,3100 h40; Top Overlay "3V3" at 4601,3800.01 h40; Top Overlay "RX" at 6172.35,2700.01 h40; Top Overlay "GND" at 6232.37,4160.01 h40; Top Overlay "AREF" at 6192.37,4260 h40; Top Overlay "A0" at 4600.99,3200 h40; Top Overlay "5V" at 4600.99,3700 h40; Top Overlay "IOREF" at 4586,4109.97 h40 r270; Top Overlay "NC" at 4491,4199.99 h40; Top Overlay "SDA" at 6232.37,4360.01 h40; Top Overlay "SCL" at 6232.35,4459.99 h40; Top Overlay "TX" at 6172.35,2800 h40; Top Overlay "RESET" at 4601,3875.01 h40; Bottom Overlay "GND" at 6338.98,4159.99 h40; Bottom Overlay "NC" at 4557.64,4200 h40; Bottom Overlay "3V3" at 4707.63,3800.01 h40; Bottom Overlay "GND" at 4601,3516.68 h40 r270; Bottom Overlay "5V" at 4667.64,3700 h40; Bottom Overlay "IOREF" at 4586,3930.03 h40 r270; Bottom Overlay "AREF" at 6338.99,4260 h40; Bottom Overlay "SCL" at 6339,4460.01 h40; Bottom Overlay "SDA" at 6339,4360.01 h40; Bottom Overlay "13" at 6338.98,4059.99 h40; Bottom Overlay "12" at 6338.98,3959.99 h40; Bottom Overlay "RESET" at 4787.61,3875.01 h40; Bottom Overlay "#" at 6263.98,3859.99 h40; Bottom Overlay "#" at 6253.98,3759.99 h40; Bottom Overlay "#" at 6288.98,3659.99 h40; Bottom Overlay "10" at 6338.98,3759.99 h40; Bottom Overlay "11" at 6338.98,3859.99 h40; Bottom Overlay "8" at 6338.98,3559.99 h40; Bottom Overlay "9" at 6338.98,3659.99 h40; Bottom Overlay "A1" at 4654.31,3100 h40; Bottom Overlay "A0" at 4667.64,3200 h40; Bottom Overlay "A2" at 4667.64,3000 h40; Bottom Overlay "VIN" at 4700.96,3400 h40; Bottom Overlay "A4" at 4667.64,2800 h40; Bottom Overlay "A3" at 4667.64,2900 h40; Bottom Overlay "A5" at 4667.65,2700.01 h40; Bottom Overlay "TX" at 6238.99,2800 h40; Bottom Overlay "RX" at 6239,2700.01 h40; Bottom Overlay "#" at 6289,3300.01 h40; Bottom Overlay "#" at 6289,3200.01 h40; Bottom Overlay "#" at 6289,3000.01 h40; Bottom Overlay "5" at 6339,3200.01 h40; Bottom Overlay "7" at 6339,3400.01 h40; Bottom Overlay "4" at 6339,3100.01 h40; Bottom Overlay "6" at 6339,3300.01 h40; Bottom Overlay "3" at 6339,3000.01 h40; Bottom Overlay "2" at 6339,2900.01 h40; Bottom Overlay "0" at 6339,2700.01 h40; Bottom Overlay "1" at 6339,2800.01 h40
P1: Top Overlay "RESET" at 5719,3337.39 h40 r90; Top Overlay "D1" at 5619,3470.68 h40 r90; Top Overlay "D3" at 5519,3457.35 h40 r90; Top Overlay "D5" at 5419,3457.35 h40 r90; Top Overlay "D7" at 5319,3457.35 h40 r90; Top Overlay "PCLK" at 5219,3377.38 h40 r90; Top Overlay "VSYNC" at 5119,3337.39 h40 r90; Top Overlay "SIOC" at 5019,3384.05 h40 r90; Top Overlay "3V3" at 4919,3417.37 h40 r90; Top Overlay "18" at 5819,3649.02 h40 r90; Top Overlay "2" at 4819,3722.34 h40 r90; Top Overlay "17" at 5819,3561 h40 r90; Top Overlay "PWDN" at 5719,3786 h40 r90; Top Overlay "D0" at 5619,3786 h40 r90; Top Overlay "D2" at 5519,3786 h40 r90; Top Overlay "D4" at 5419,3786 h40 r90; Top Overlay "D6" at 5319,3786 h40 r90; Top Overlay "XCLK" at 5219,3786 h40 r90; Top Overlay "HREF" at 5119,3786 h40 r90; Top Overlay "SIOD" at 5019,3786 h40 r90; Top Overlay "GND" at 4919,3786 h40 r90; Bottom Overlay "PCLK" at 5225,3530 h40 r90; Bottom Overlay "2" at 4825,3755 h40 r90; Bottom Overlay "GND" at 4919,3892.63 h40 r90; Bottom Overlay "SIOD" at 5019,3925.95 h40 r90; Bottom Overlay "HREF" at 5119,3932.62 h40 r90; Bottom Overlay "XCLK" at 5219,3932.62 h40 r90; Bottom Overlay "D6" at 5319,3852.65 h40 r90; Bottom Overlay "D4" at 5419,3852.65 h40 r90; Bottom Overlay "D2" at 5519,3852.65 h40 r90; Bottom Overlay "D0" at 5619,3852.65 h40 r90; Bottom Overlay "PWDN" at 5719,3932.62 h40 r90; Bottom Overlay "18" at 5819,3709 h40 r90; Bottom Overlay "3V3" at 4919,3524 h40 r90; Bottom Overlay "SIOC" at 5019,3524 h40 r90; Bottom Overlay "VSYNC" at 5119,3524 h40 r90; Bottom Overlay "D7" at 5319,3524 h40 r90; Bottom Overlay "D5" at 5419,3524 h40 r90; Bottom Overlay "D3" at 5519,3524 h40 r90; Bottom Overlay "D1" at 5619,3524 h40 r90; Bottom Overlay "RESET" at 5719,3524 h40 r90; Bottom Overlay "17" at 5819,3620.98 h40 r90
P2: Top Overlay "22" at 5917,5114.35 h40 r90; Top Overlay "21" at 5917,4993 h40 r90; Top Overlay "STR" at 5617,4844.37 h40 r90; Top Overlay "WRST" at 5817,4804.38 h40 r90; Top Overlay "RRST" at 5817,5223 h40 r90; Top Overlay "OE" at 5717,5223 h40 r90; Top Overlay "RESET" at 5517,4764.39 h40 r90; Top Overlay "D2" at 5317,5223 h40 r90; Top Overlay "D0" at 5417,5223 h40 r90; Top Overlay "WR" at 5717,4884.36 h40 r90; Top Overlay "D3" at 5317,4884.36 h40 r90; Top Overlay "D1" at 5417,4897.68 h40 r90; Top Overlay "RCK" at 5617,5223 h40 r90; Top Overlay "PWDN" at 5517,5223 h40 r90; Top Overlay "D6" at 5117,5223 h40 r90; Top Overlay "D4" at 5217,5223 h40 r90; Top Overlay "D5" at 5217,4884.36 h40 r90; Top Overlay "D7" at 5117,4884.36 h40 r90; Top Overlay "VSYNC" at 5017,4764.39 h40 r90; Top Overlay "HREF" at 5017,5223 h40 r90; Top Overlay "SIOC" at 4917,4811.05 h40 r90; Top Overlay "GND" at 4817,5223 h40 r90; Top Overlay "SIOD" at 4917,5223 h40 r90; Top Overlay "3V3" at 4817,4844.37 h40 r90; Top Overlay "2" at 4717,5154.34 h40 r90; Bottom Overlay "21" at 5917,5046.32 h40 r90; Bottom Overlay "D3" at 5317,4951 h40 r90; Bottom Overlay "WRST" at 5817,4951 h40 r90; Bottom Overlay "WR" at 5717,4951 h40 r90; Bottom Overlay "STR" at 5617,4951 h40 r90; Bottom Overlay "RESET" at 5517,4951 h40 r90; Bottom Overlay "D1" at 5417,4951 h40 r90; Bottom Overlay "D5" at 5217,4951 h40 r90; Bottom Overlay "D7" at 5117,4951 h40 r90; Bottom Overlay "VSYNC" at 5017,4951 h40 r90; Bottom Overlay "SIOC" at 4917,4951 h40 r90; Bottom Overlay "3V3" at 4817,4951 h40 r90; Bottom Overlay "22" at 5917,5181 h40 r90; Bottom Overlay "RRST" at 5817,5369.62 h40 r90; Bottom Overlay "D4" at 5217,5289.64 h40 r90; Bottom Overlay "OE" at 5717,5289.64 h40 r90; Bottom Overlay "RCK" at 5617,5329.63 h40 r90; Bottom Overlay "PWDN" at 5517,5369.62 h40 r90; Bottom Overlay "D0" at 5417,5289.64 h40 r90; Bottom Overlay "D2" at 5317,5289.64 h40 r90; Bottom Overlay "D6" at 5117,5289.64 h40 r90; Bottom Overlay "HREF" at 5017,5369.62 h40 r90; Bottom Overlay "2" at 4717,5181 h40 r90; Bottom Overlay "SIOD" at 4917,5362.95 h40 r90; Bottom Overlay "GND" at 4817,5329.63 h40 r90